# Altium PCB Spectre-Analyzer.PcbDoc (part 1 of 2)
Units mm, origin at the board's own origin, x right, y up, seen from the top; angles counter-clockwise.
Board outline 60 x 40 mm, 4 copper layers (Top Layer, Inner Layer 1, Inner Layer 2, Bottom Layer), stack 1.59 mm thick; 127 components, 98 nets, 407 pads, 193 vias.
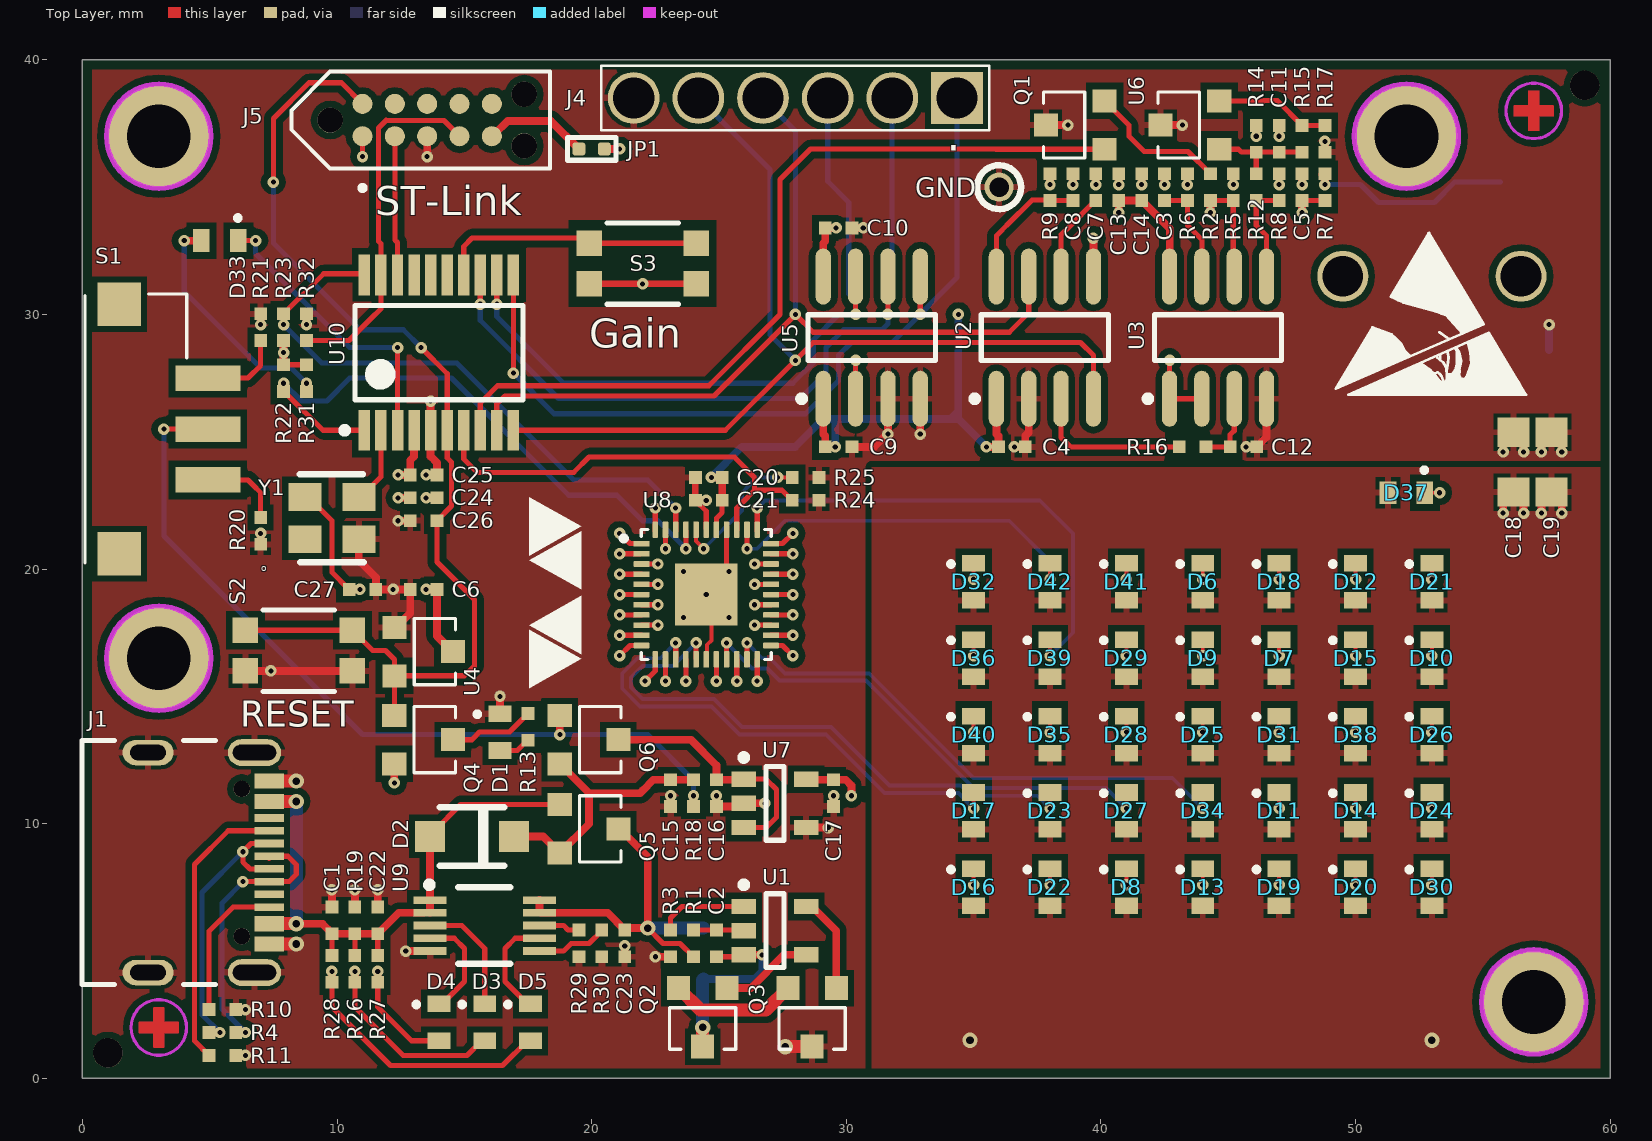
[diagram p0: Top Layer view]
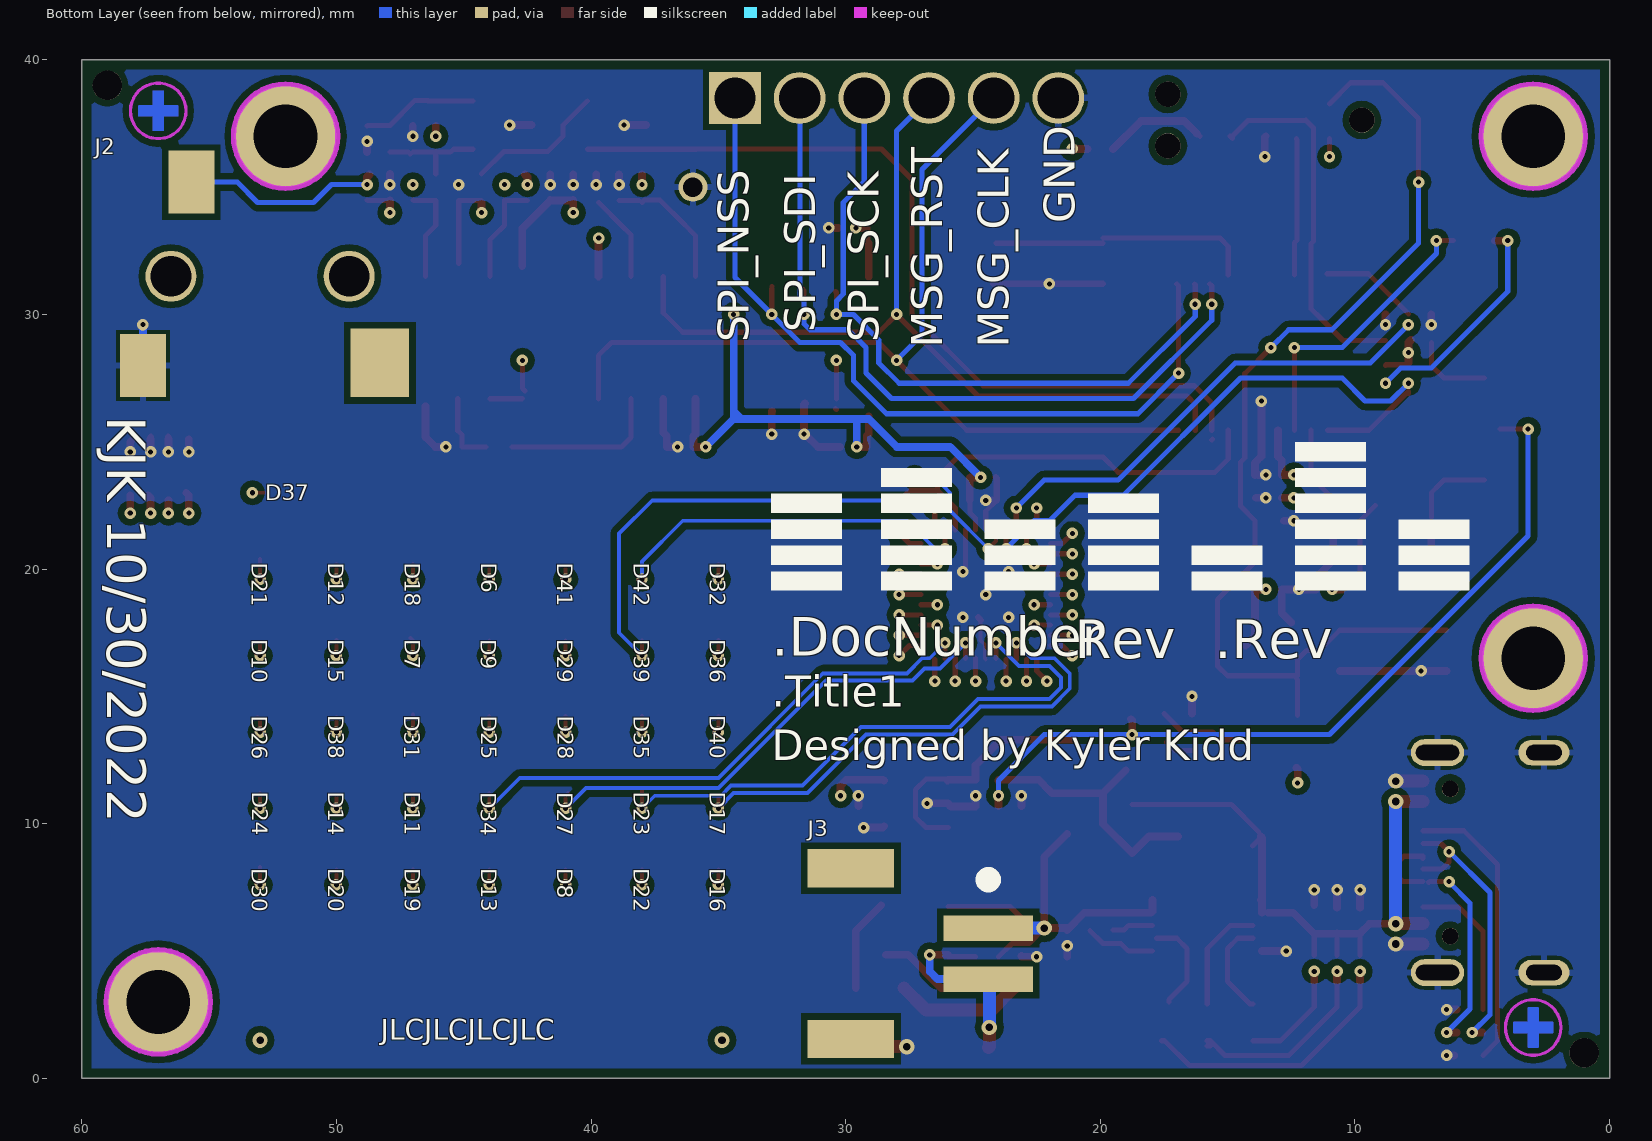
[diagram p1: Bottom Layer view, seen from below]
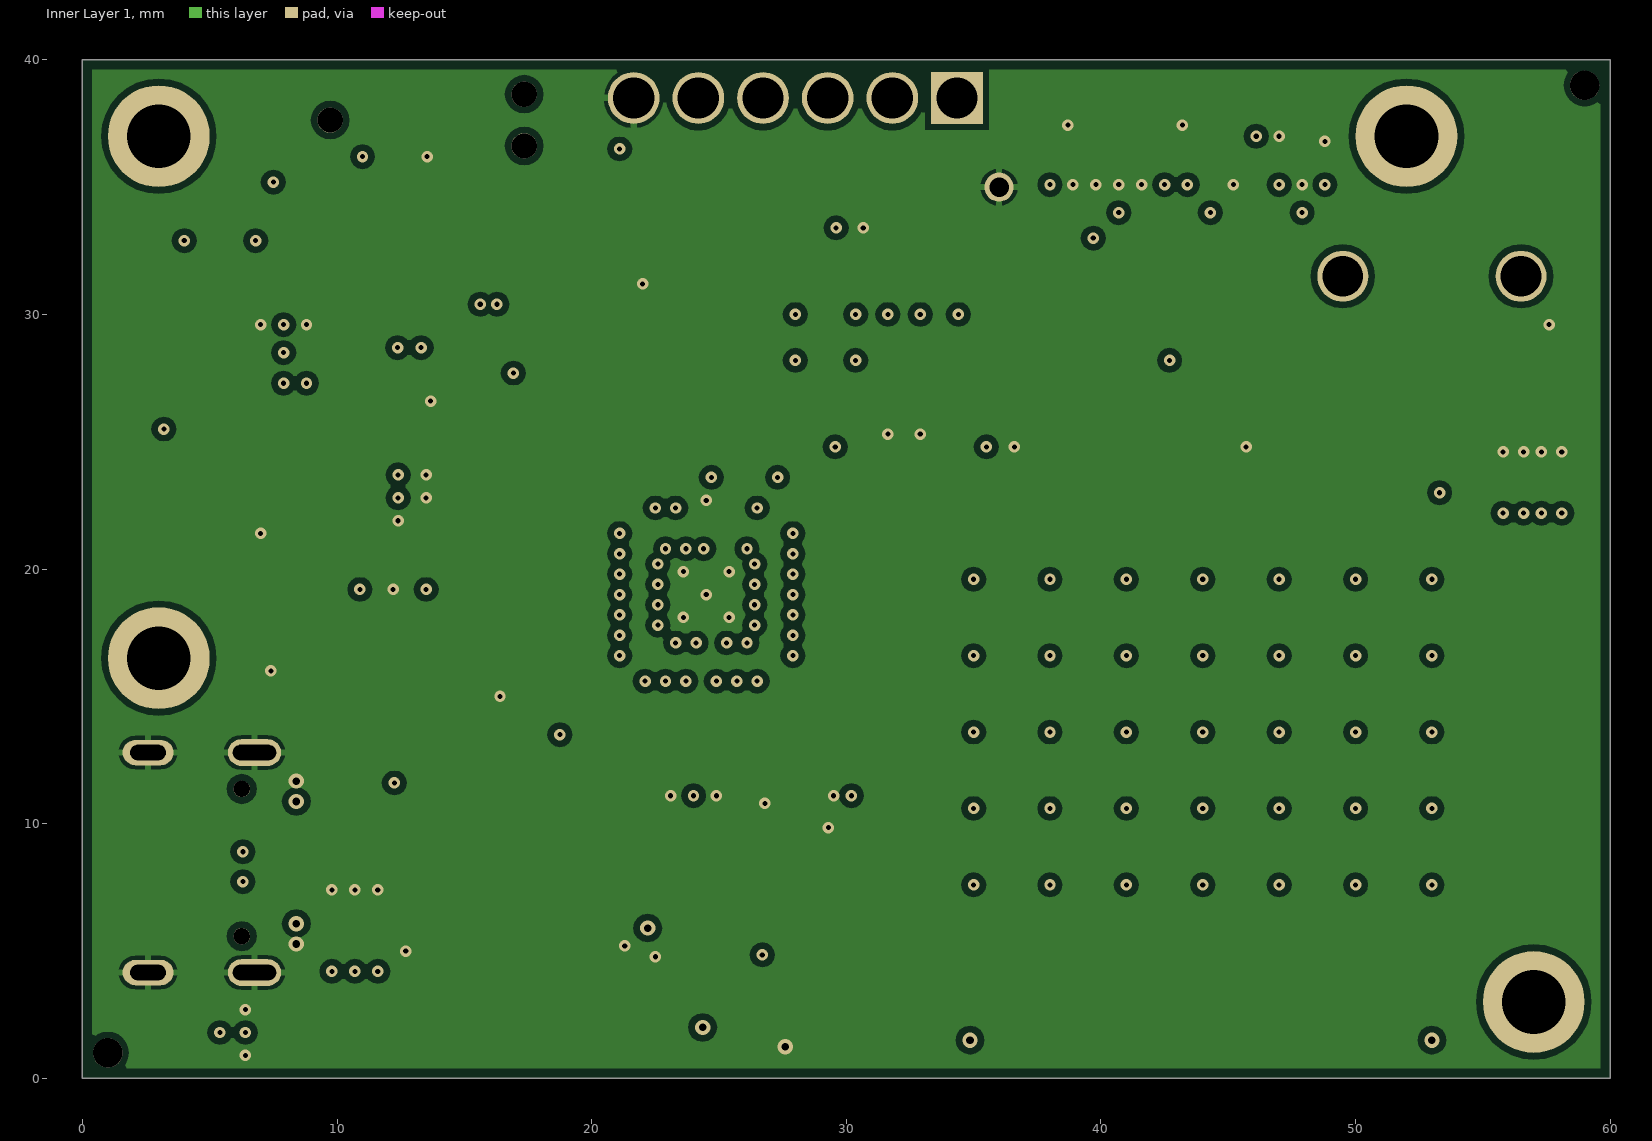
[diagram p2: Inner Layer 1]
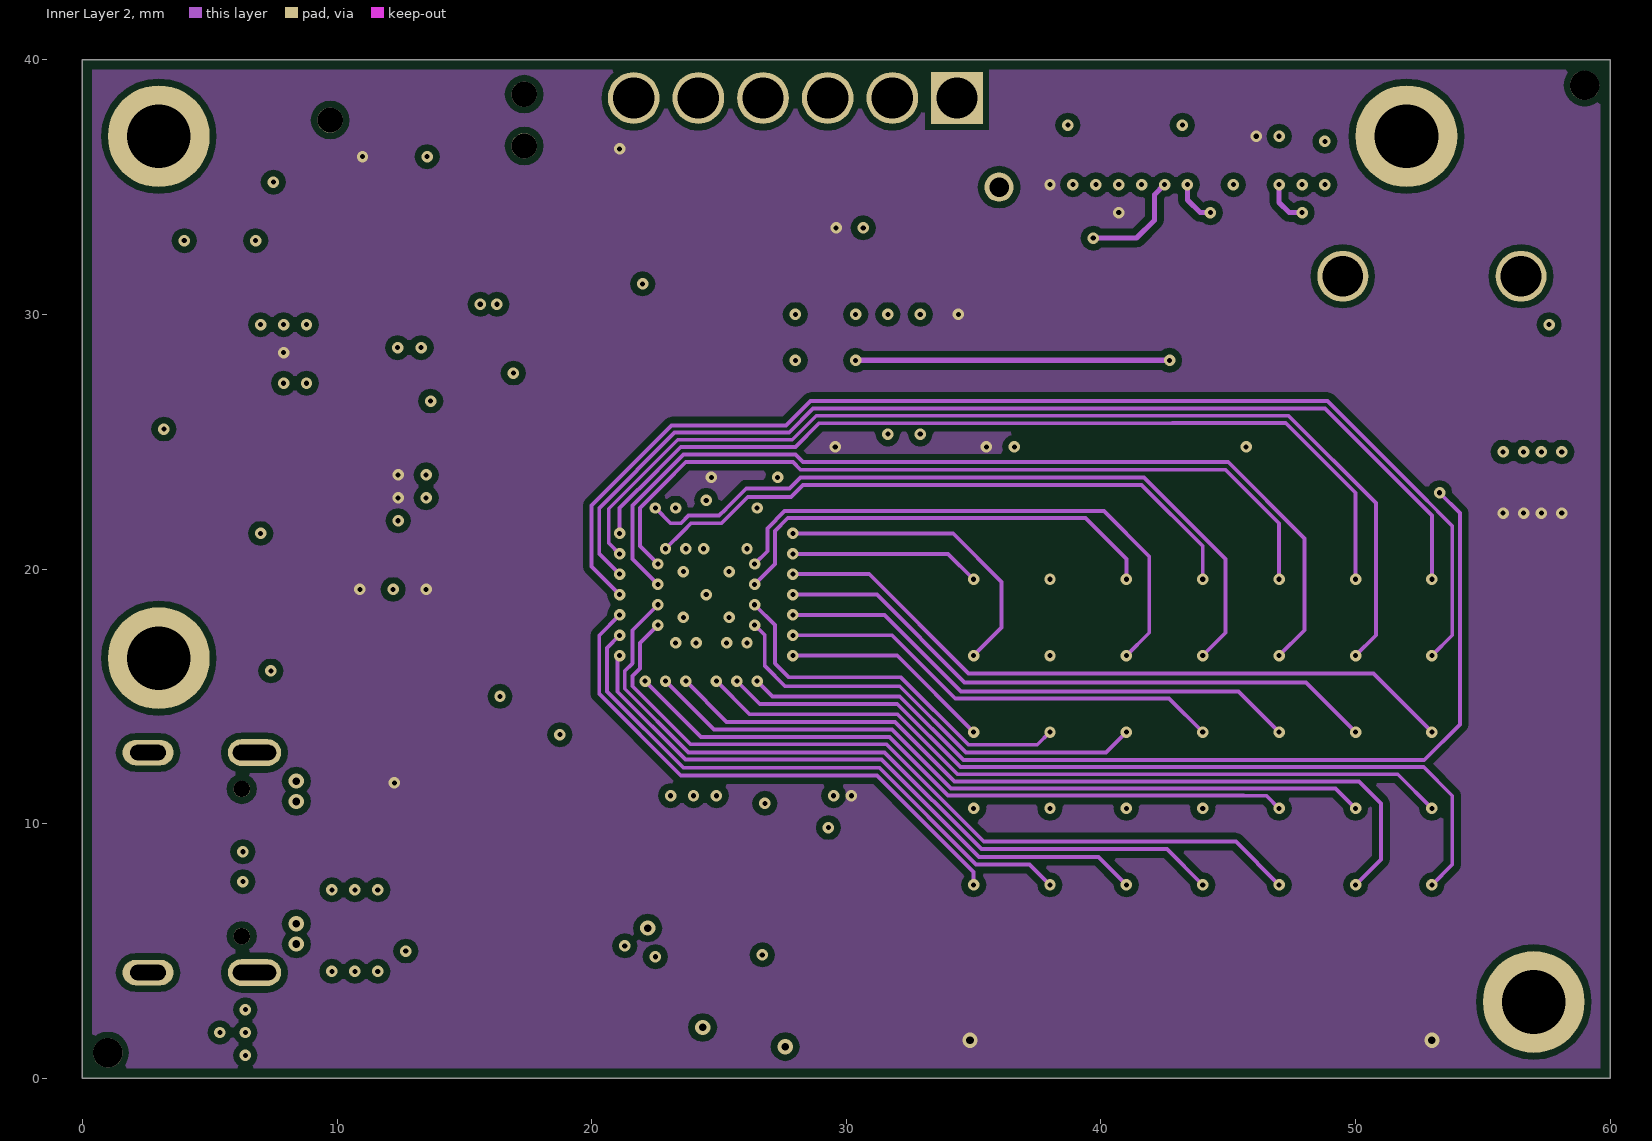
[diagram p3: Inner Layer 2]
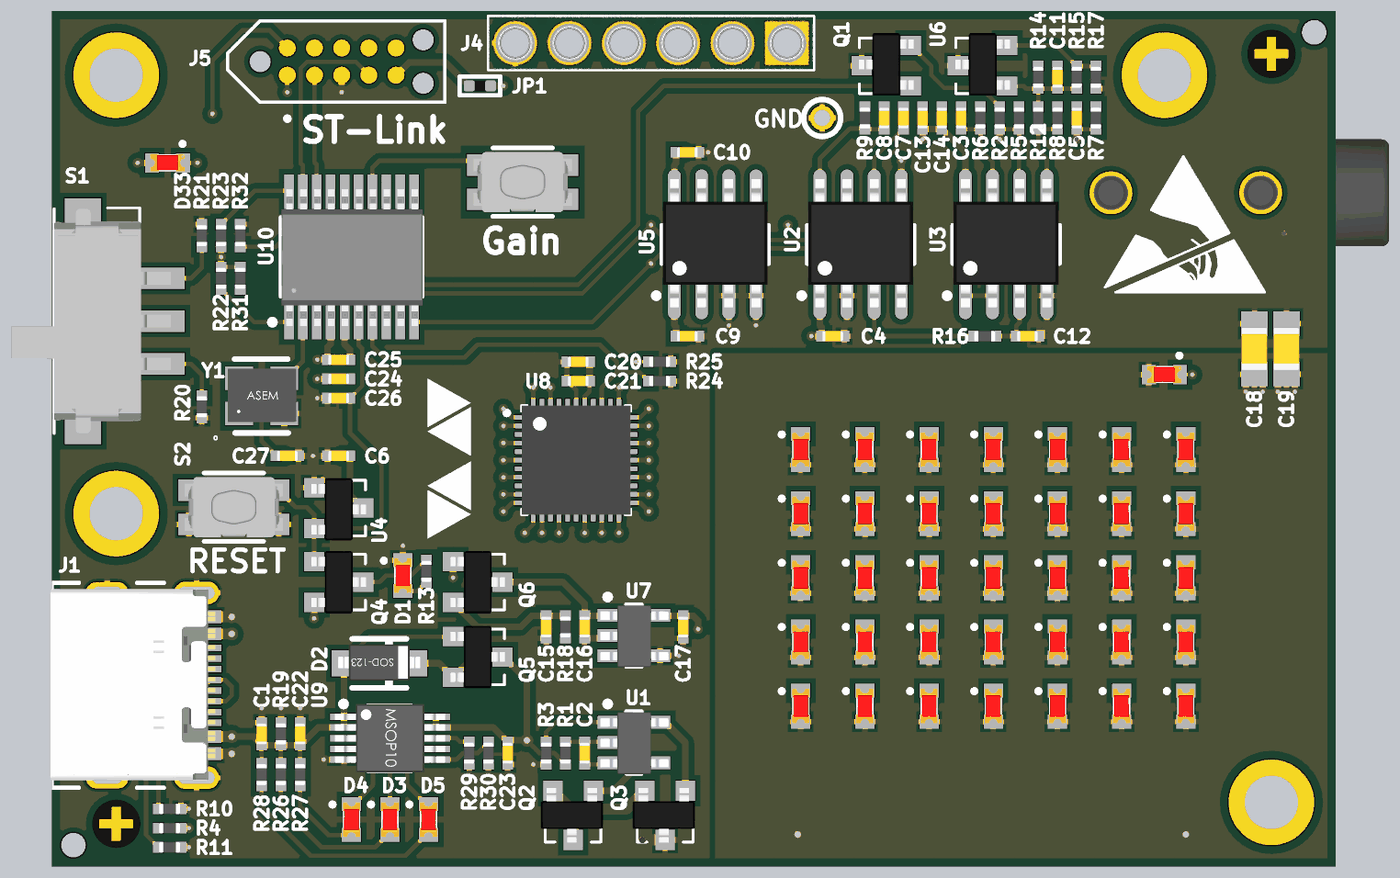
[diagram p5: 3D render of the assembled board from above, using the file's embedded part models]

## Layer stack, top to bottom
Top Solder: solder mask 0.0102, Solder Resist, Dk 3.5
Top Layer: signal copper 0.0356
Prepreg 1: prepreg 0.2083, FR-4, Dk 4.2
Inner Layer 1: signal copper 0.0178
Core: core 1.0668, Dk 4.2
Inner Layer 2: signal copper 0.0178
Prepreg 2: prepreg 0.2083, Dk 4.2
Bottom Layer: signal copper 0.0356
Bottom Solder: solder mask 0.0102, Solder Resist, Dk 3.5

## Board outline
0,0 60,0 60,40 0,40

## Design rules (kind name [scope] priority, off if disabled: settings)
BoardOutlineClearance [All] p1: gap=0.381 ignorepadtopadclearanceinfootprint=FALSE
Clearance "Clearance Polygons" [InPolygon] p1: gap=0.254 ignorepadtopadclearanceinfootprint=FALSE except(0: Arc-Hole Track-Hole SMDPad-Hole THPad-Hole Via-Hole Fill-Hole Poly-Hole Region-Hole Text-Hole)
Clearance [All] p2: gap=0.127 ignorepadtopadclearanceinfootprint=FALSE except(0: Arc-Hole Track-Hole SMDPad-Hole THPad-Hole Via-Hole Fill-Hole Poly-Hole Region-Hole Text-Hole)
ComponentClearance "HM-TRP & UFL" [InComponent('X1') vs InComponent('U1')] p1: gap=0 collisioncheckmode=3 verticalgap=0 showdistances=FALSE
ComponentClearance [All] p2: gap=0.025 collisioncheckmode=3 verticalgap=0.025 showdistances=FALSE
DiffPairsRouting [All] p1: maxlimit=10 minlimit=0.127 mostfreqgap=0.203 toplayer_minwidth=0.127 toplayer_maxwidth=0.381 toplayer_prefwidth=0.203 midlayer1_minwidth=0.127 midlayer1_maxwidth=0.381 midlayer1_prefwidth=0.203 midlayer2_minwidth=0.127 midlayer2_maxwidth=0.381 midlayer2_prefwidth=0.203 bottomlayer_minwidth=0.127 bottomlayer_maxwidth=0.381 bottomlayer_prefwidth=0.203 maxuncoupledlength=12.7
HoleSize [All] p1: absolutevalues=TRUE maxlimit=6.731 minlimit=0.2 maxpercent=80.000 minpercent=20.000
HoleToHoleClearance [All] p1: gap=0.254 allowstackedmicrovias=FALSE
MinimumAnnularRing [All] p1: minimumring=0.102
MinimumSolderMaskSliver [All] p1: minsoldermaskwidth=0
PlaneClearance [All] p1: clearance=0.254
PlaneConnect [All] p1: planeconnectstyle=Relief reliefexpansion=0.102 reliefentries=4 reliefconductorwidth=0.152 reliefairgap=0.152
PolygonConnect "Via connect style" [isVia] p1: connectstyle=Direct reliefconductorwidth=0.254 reliefentries=4 polygonreliefangle="90 Angle" airgapwidth=0.254
PolygonConnect [All] p2: connectstyle=Relief reliefconductorwidth=0.254 reliefentries=4 polygonreliefangle="90 Angle" airgapwidth=0.152
RoutingCorners [All] p1: cornerstyle=45-Degree minsetback=1.25 maxsetback=1.25
RoutingVias [All] p1: holewidth=0.305 width=0.559 viastyle="Through Hole" minholewidth=0.254 minwidth=0.457 maxholewidth=2.54 maxwidth=2.896
SilkToSilkClearance [All] p1: silktosilkclearance=0
SilkToSolderMaskClearance [IsPad] p1: minsilkscreentomaskgap=0.025 clearancetoexposedcopper=TRUE
SolderMaskExpansion [All] p1: expansion=0.064
Width GND [InNet('GND')] p1: maxlimit=0.762 minlimit=0.1 preferedwidth=0.508
Width Power [InNetClass('Power')] p2: maxlimit=1.016 minlimit=0.508 preferedwidth=0.762
Width 3V3 [InNetClass('3V3')] p3: maxlimit=0.762 minlimit=0.254 preferedwidth=0.508
Width [All] p4: maxlimit=10.16 minlimit=0.152 preferedwidth=0.203
20 further rules are at their usual default settings.

## Classes and differential pairs
component class "Power Input": D2 Q4 Q5 Q6 R13 R18 R19 R24 R29 R32
component class -: C1 R10 R11 R12 R20 R21 R22 R23
component class Interface: C2 C3 C4 C6 C7 C8 C12 C14 C15 C16 C17 C19 C20 C21 C22 C23 C24 C25 C26 C27 D1 D3 D4 D5 D6 D7 D8 D9 D10 D11 D12 D13 D14 D15 D16 D17 D18 D19 D20 D21 D22 D23 D24 D25 D26 D27 D28 D29 D30 D31 D32 D33 D34 D35 D36 D37 D38 D39 D40 D41 D42 R3 R30 R31 Y1

## Components (designator, comment, footprint, x,y, rotation, side; value= is the part's Value field where it differs from the comment)
C1 "10uF" 0402 9.8,6.2 r270 top
C2 "0.1uF" 0402 24.9,5.3 r90 top
C3 "0.1uF" 0402 42.5,35 r270 top
C4 "0.1uF" 0402 36.5,24.8 r180 top
C5 "100pF" 0402 47.9,35 r270 top
C6 "0.1uF" 0402 13.4,19.2 r0 top
C7 "0.1uF" 0402 39.8,35 r270 top
C8 "33pF" 0402 38.9,35 r270 top
C9 "2.2uF" 0402 29.7,24.8 r180 top
C10 "2.2uF" 0402 29.7,33.4 r180 top
C11 "2.2uF" 0402 47,36.9 r270 top
C12 "0.1uF" 0402 45.6,24.8 r180 top
C13 "2.2uF" 0402 40.7,35 r270 top
C14 "0.1uF" 0402 41.6,35 r270 top
C15 "2.2uF" 0402 23.1,11.2 r90 top
C16 "2.2uF" 0402 24.9,11.2 r90 top
C17 "2.2uF" 0402 29.5,11.2 r90 top
C18 "22uF" 0805 56.2,24.2 r270 top
C19 "22uF" 0805 57.7,24.2 r270 top
C20 "2.2uF" 0402 24.6,23.6 r0 top
C21 "0.1uF" 0402 24.6,22.7 r0 top
C22 "2.2uF" 0402 11.6,6.2 r270 top
C23 "2.2uF" 0402 21.3,5.3 r90 top
C24 "2.2uF" 0402 13.4,22.8 r180 top
C25 "0.1uF" 0402 13.4,23.7 r180 top
C26 "0.1uF" 0402 13.4,21.9 r0 top
C27 "0.01uF" 0402 11,19.2 r180 top
D1 "LED_RED" 0603_LED_Red 16.4,13.6 r90 top
D2 "1N5819" SOD-123 15.3,9.5 r0 top
D3 "LED_ORG" 0603_LED_Red 15.8,2.2 r90 top
D4 "LED_GRN" 0603_LED_Red 14,2.2 r90 top
D5 "LED_RED" 0603_LED_Red 17.6,2.2 r90 top
D6 "LED_RED" 0603_LED_Red 44,19.5 r90 top
D7 "LED_ORG" 0603_LED_Red 47,16.5 r90 top
D8 "LED_GRN" 0603_LED_Red 41,7.5 r90 top
D9 "LED_ORG" 0603_LED_Red 44,16.5 r90 top
D10 "LED_ORG" 0603_LED_Red 53,16.5 r90 top
D11 "LED_GRN" 0603_LED_Red 47,10.5 r90 top
D12 "LED_RED" 0603_LED_Red 50,19.5 r90 top
D13 "LED_GRN" 0603_LED_Red 44,7.5 r90 top
D14 "LED_GRN" 0603_LED_Red 50,10.5 r90 top
D15 "LED_ORG" 0603_LED_Red 50,16.5 r90 top
D16 "LED_GRN" 0603_LED_Red 35,7.5 r90 top
D17 "LED_GRN" 0603_LED_Red 35,10.5 r90 top
D18 "LED_RED" 0603_LED_Red 47,19.5 r90 top
D19 "LED_GRN" 0603_LED_Red 47,7.5 r90 top
D20 "LED_GRN" 0603_LED_Red 50,7.5 r90 top
D21 "LED_RED" 0603_LED_Red 53,19.5 r90 top
D22 "LED_GRN" 0603_LED_Red 38,7.5 r90 top
D23 "LED_GRN" 0603_LED_Red 38,10.5 r90 top
D24 "LED_GRN" 0603_LED_Red 53,10.5 r90 top
D25 "LED_YLW" 0603_LED_Red 44,13.5 r90 top
D26 "LED_YLW" 0603_LED_Red 53,13.5 r90 top
D27 "LED_GRN" 0603_LED_Red 41,10.5 r90 top
D28 "LED_YLW" 0603_LED_Red 41,13.5 r90 top
D29 "LED_ORG" 0603_LED_Red 41,16.5 r90 top
D30 "LED_GRN" 0603_LED_Red 53,7.5 r90 top
D31 "LED_YLW" 0603_LED_Red 47,13.5 r90 top
D32 "LED_RED" 0603_LED_Red 35,19.5 r90 top
D33 "LED_GRN" 0603_LED_Red 5.4,32.9 r0 top
D34 "LED_GRN" 0603_LED_Red 44,10.5 r90 top
D35 "LED_YLW" 0603_LED_Red 38,13.5 r90 top
D36 "LED_ORG" 0603_LED_Red 35,16.5 r90 top
D37 "LED_ORG" 0603_LED_Red 52,23 r0 top
D38 "LED_YLW" 0603_LED_Red 50,13.5 r90 top
D39 "LED_ORG" 0603_LED_Red 38,16.5 r90 top
D40 "LED_YLW" 0603_LED_Red 35,13.5 r90 top
D41 "LED_RED" 0603_LED_Red 41,19.5 r90 top
D42 "LED_RED" 0603_LED_Red 38,19.5 r90 top
J1 "USB4105-GF-A" USB4105-GF-A 4,8.5 r270 top locked
J2 "STX-3500-3NTR" STX-3500-3NTR 49.5,31.5 r90 bottom locked
J3 "S2B-PH-SM4-TB(LF)(SN)" S2B-PH-SM4-TB(LF)(SN) 31.5,9 r270 bottom locked
J4 "DNP" 801-43-006-10-012000 28,38.5 r180 top
J5 "TC2050-IDC-NL" TC2050-IDC-NL-FP 11,37 r90 top locked
JP1 "Solder Jumper" "SOLDER JUMPER" 20,36.5 r0 top
Q1 "AO3400A" SOT-23-3 39,37.5 r90 top
Q2 "AO3400A" SOT-23-3 24.3,2.4 r180 top
Q3 "AO3400A" SOT-23-3 28.6,2.4 r180 top
Q4 "AO3401A" SOT-23 13.4,13.3 r270 top
Q5 "AO3401A" SOT-23 19.9,9.8 r270 top
Q6 "AO3401A" SOT-23 19.9,13.3 r270 top
R1 "330" 0402 24,5.3 r90 top
R2 "10k" 0402 44.3,35 r270 top
R3 "2.7k" 0402 23.1,5.3 r270 top
R4 "0" 0402 5.5,1.8 r0 top
R5 "10k" 0402 45.2,35 r270 top
R6 "10k" 0402 43.4,35 r270 top
R7 "680" 0402 48.8,35 r270 top
R8 "10k" 0402 47,35 r270 top
R9 "200k" 0402 38,35 r270 top
R10 "5.1k" 0402 5.5,2.7 r180 top
R11 "5.1k" 0402 5.5,0.9 r180 top
R12 "10k" 0402 46.1,35 r270 top
R13 "1k" 0402 17.5,13.8 r90 top
R14 "680" 0402 46.1,36.9 r270 top
R15 "3.3k" 0402 47.9,36.9 r90 top
R16 "1k" 0402 43.6,24.8 r0 top
R17 "10k" 0402 48.8,36.9 r270 top
R18 "10k" 0402 24,11.2 r90 top
R19 "10k" 0402 10.7,6.2 r270 top
R20 "0" 0402 7,21.5 r270 top
R21 "DNP" 0402 7,29.5 r90 top
R22 "5.1k" 0402 7.9,27.5 r90 top
R23 "5.1k" 0402 7.9,29.5 r270 top
R24 "10k" 0402 28.4,22.7 r180 top
R25 "3.3k" 0402 28.4,23.6 r0 top
R26 "1k" 0402 10.7,4.3 r270 top
R27 "1k" 0402 11.6,4.3 r270 top
R28 "1k" 0402 9.8,4.3 r270 top
R29 "10k" 0402 19.5,5.3 r90 top
R30 "2.7k" 0402 20.4,5.3 r270 top
R31 "1k" 0402 8.8,27.5 r90 top
R32 "10k" 0402 8.8,29.5 r270 top
S1 "SS312SAH4-R" SW_SS312SAH4-R 3.4,25.5 r0 top locked
S2 "KMR243GLFG" "KMR 2 Series" 8.5,16.8 r180 top
S3 "KMR243GLFG" "KMR 2 Series" 22,32 r180 top
U1 "AP9101" TSOT23-5 27.2,5.8 r0 top
U2 "MSGEQ7N" SOIC-8 37.8,29.1 r90 top
U3 "MCP6002" SOIC-8 44.6,29.1 r90 top
U4 "TPS3809K33DBVR" SOT-23-3 13.4,16.7 r270 top
U5 "MCP3001" SOIC-8 31,29.1 r90 top
U6 "TLV431" SOT-23-3 43.5,37.5 r90 top
U7 "TPS78233DDCR" TSOT23-5 27.2,10.8 r0 top
U8 "IS31FL3236A" "QFN-44 5X5" 24.5,19 r0 top
U9 "MCP73833" MSOP-10 15.8,6 r270 top
U10 "STM32G031F8P6" TSSOP-20 14,28.5 r90 top locked
Y1 "ASE-10.000-MHZ-E-T" ASE-XXXXX-X-X-X 9.8,22 r0 top locked

## Footprints (in the part's own frame and the unit in brackets; to place one, negate y for a bottom-side part, rotate by r counter-clockwise, add the part's x,y. Pads: shape width x height; smd on the part's side, far side on the other; paste and mask are expansions set on the pad)
0402 [mm] "Chip Capacitor; Body 1.0 x 0.5 mm (LxW typ)"
  rect 0.5x0.5 smd mask+0.038: 1(-0.525,0) 2(0.525,0)
  body extent -0.5,-0.25 0.5,0.25, height 0.6
0603_LED_Red [mm]
  rect 0.65x0.9 smd mask+0.038: 1(-0.725,0) 2(0.725,0)
  silkscreen extent 0.64,0.83 0.76,0.95, body extent -0.8,-0.4 0.8,0.4, height 0.6
801-43-006-10-012000 [mil] "6 Position Receptacle Connector 0.100\" (2.54mm) Through Hole Gold"
  rect 80x80 hole 64: 1(-250,0)
  round 80 hole 64: 2(-150,0) 3(-50,0) 4(50,0) 5(150,0) 6(250,0)
  silkscreen extent -300,-50 300,50, body extent -300,-50 300,50, height 110
0805 [mm] "Chip Capacitor; Body 2.0 x 1.2 mm (LxW typ)"
  rect 1.15x1.25 smd mask+0.038: 1(-1.175,0) 2(1.175,0)
  body extent -1,-0.6 1,0.6, height 1.27
ASE-XXXXX-X-X-X [mil] "OSC XO x.xxxMHZ CMOS SMD"
  rect 51x43 smd mask+1.5: 1(-41.5,-32.5) 2(41.5,-32.5) 3(41.5,32.5) 4(-41.5,32.5)
  silkscreen extent -50,-68 49,68, body extent -62,-48 64,50, height 34
"KMR 2 Series" [mm]
  rect 1x1 smd: 1(-2.1,0.8) 1(2.1,0.8) 2(-2.1,-0.8) 2(2.1,-0.8)
  silkscreen extent -1.4,-1.6 1.4,1.6, body extent -2.3,-1.4 2.3,1.4, height 1.92
MSOP-10 [mm]
  rect 0.3x1.3 smd mask+0.038: 1(-1,-2.15) 2(-0.5,-2.15) 3(0,-2.15) 4(0.5,-2.15) 5(1,-2.15) 6(1,2.15) 7(0.5,2.15) 8(0,2.15) 9(-0.5,2.15) 10(-1,2.15)
  silkscreen extent -1.72,-2.3 1.5,1, body extent -1.6,-2.57 1.6,2.58, height 1.09
"QFN-44 5X5" [mm]
  rrect30% 0.64x0.22 smd: 1(-2.545,2) 2(-2.545,1.6) 3(-2.545,1.2) 4(-2.545,0.8) 5(-2.545,0.4) 6(-2.545,0) 7(-2.545,-0.4) 8(-2.545,-0.8) 9(-2.545,-1.2) 10(-2.545,-1.6) 11(-2.545,-2) 23(2.545,-2) 24(2.545,-1.6) 25(2.545,-1.2) 26(2.545,-0.8) 27(2.545,-0.4) 28(2.545,0) 29(2.545,0.4) 30(2.545,0.8) 31(2.545,1.2) 32(2.545,1.6) 33(2.545,2)
  rrect30% 0.22x0.64 smd: 12(-2,-2.545) 13(-1.6,-2.545) 14(-1.2,-2.545) 15(-0.8,-2.545) 16(-0.4,-2.545) 17(0,-2.545) 18(0.4,-2.545) 19(0.8,-2.545) 20(1.2,-2.545) 21(1.6,-2.545) 22(2,-2.545) 34(2,2.545) 35(1.6,2.545) 36(1.2,2.545) 37(0.8,2.545) 38(0.4,2.545) 39(0,2.545) 40(-0.4,2.545) 41(-0.8,2.545) 42(-1.2,2.545) 43(-1.6,2.545) 44(-2,2.545)
  rect 2.45x2.45 smd paste-2: 45(0,0)
  silkscreen extent -3.34,-2.55 2.55,2.55, body extent -2.56,-2.56 2.56,2.56, height 0.8
S2B-PH-SM4-TB(LF)(SN) [mm]
  rect 1x3.5 smd: 1(3.1,7.1) 2(5.1,7.1)
  rect 1.5x3.4 smd: S1(0.75,1.7) S2(7.45,1.7)
  silkscreen extent 1,6.9 1.4,7.3, body extent 0.15,0 8.05,8.6, height 4.8
SOD-123 [mil]
  rect 46x48 smd: 1(-65,0) 2(65,0)
  silkscreen extent -50,-45 50,45, body extent -76,-32 76,35, height 56
SOIC-8 [mm]
  oval 2.2x0.6 smd mask+0.038: 1(-2.41,1.905) 2(-2.41,0.635) 3(-2.41,-0.635) 4(-2.41,-1.905) 5(2.39,-1.905) 6(2.39,-0.635) 7(2.39,0.635) 8(2.39,1.905)
  silkscreen extent -2.53,-2.5 0.89,2.88, body extent -2.96,-2.45 3.04,2.45, height 1.75
"SOLDER JUMPER" [mm]
  rrect35% 0.5x0.5 smd mask+0: 1(-0.5,0) 2(0.5,0)
  silkscreen extent -0.95,-0.44 0.95,0.44
SOT-23 [mm] "SOT-23"
  rect 0.9x0.95 smd mask+0.038: 1(-0.95,-1.15) 2(0,1.15) 3(0.95,-1.15)
  silkscreen extent -1.3,-0.37 1.3,1.25, body extent -1.46,-1.27 1.46,1.27, height 0.98
SOT-23-3 [mm] "TO-236-3, SC-59, SOT-23-3"
  rect 0.9x0.95 smd mask+0.038: 1(-1.009,-1.145) 2(0.891,-1.145) 3(-0.059,1.155)
  silkscreen extent -1.36,-0.37 1.24,1.26, body extent -1.46,-1.27 1.46,1.27, height 0.98